# Altium PCB 606-100885-r02.pcbdoc (part 1 of 4)
Units mm, origin at the board's own origin, x right, y up, seen from the top; angles counter-clockwise.
Board outline 292.21 x 226.73 mm, 2 copper layers (Top Layer, Bottom Layer), stack 0.091 mm thick; 33 components, 69 nets, 230 pads, 87 vias.
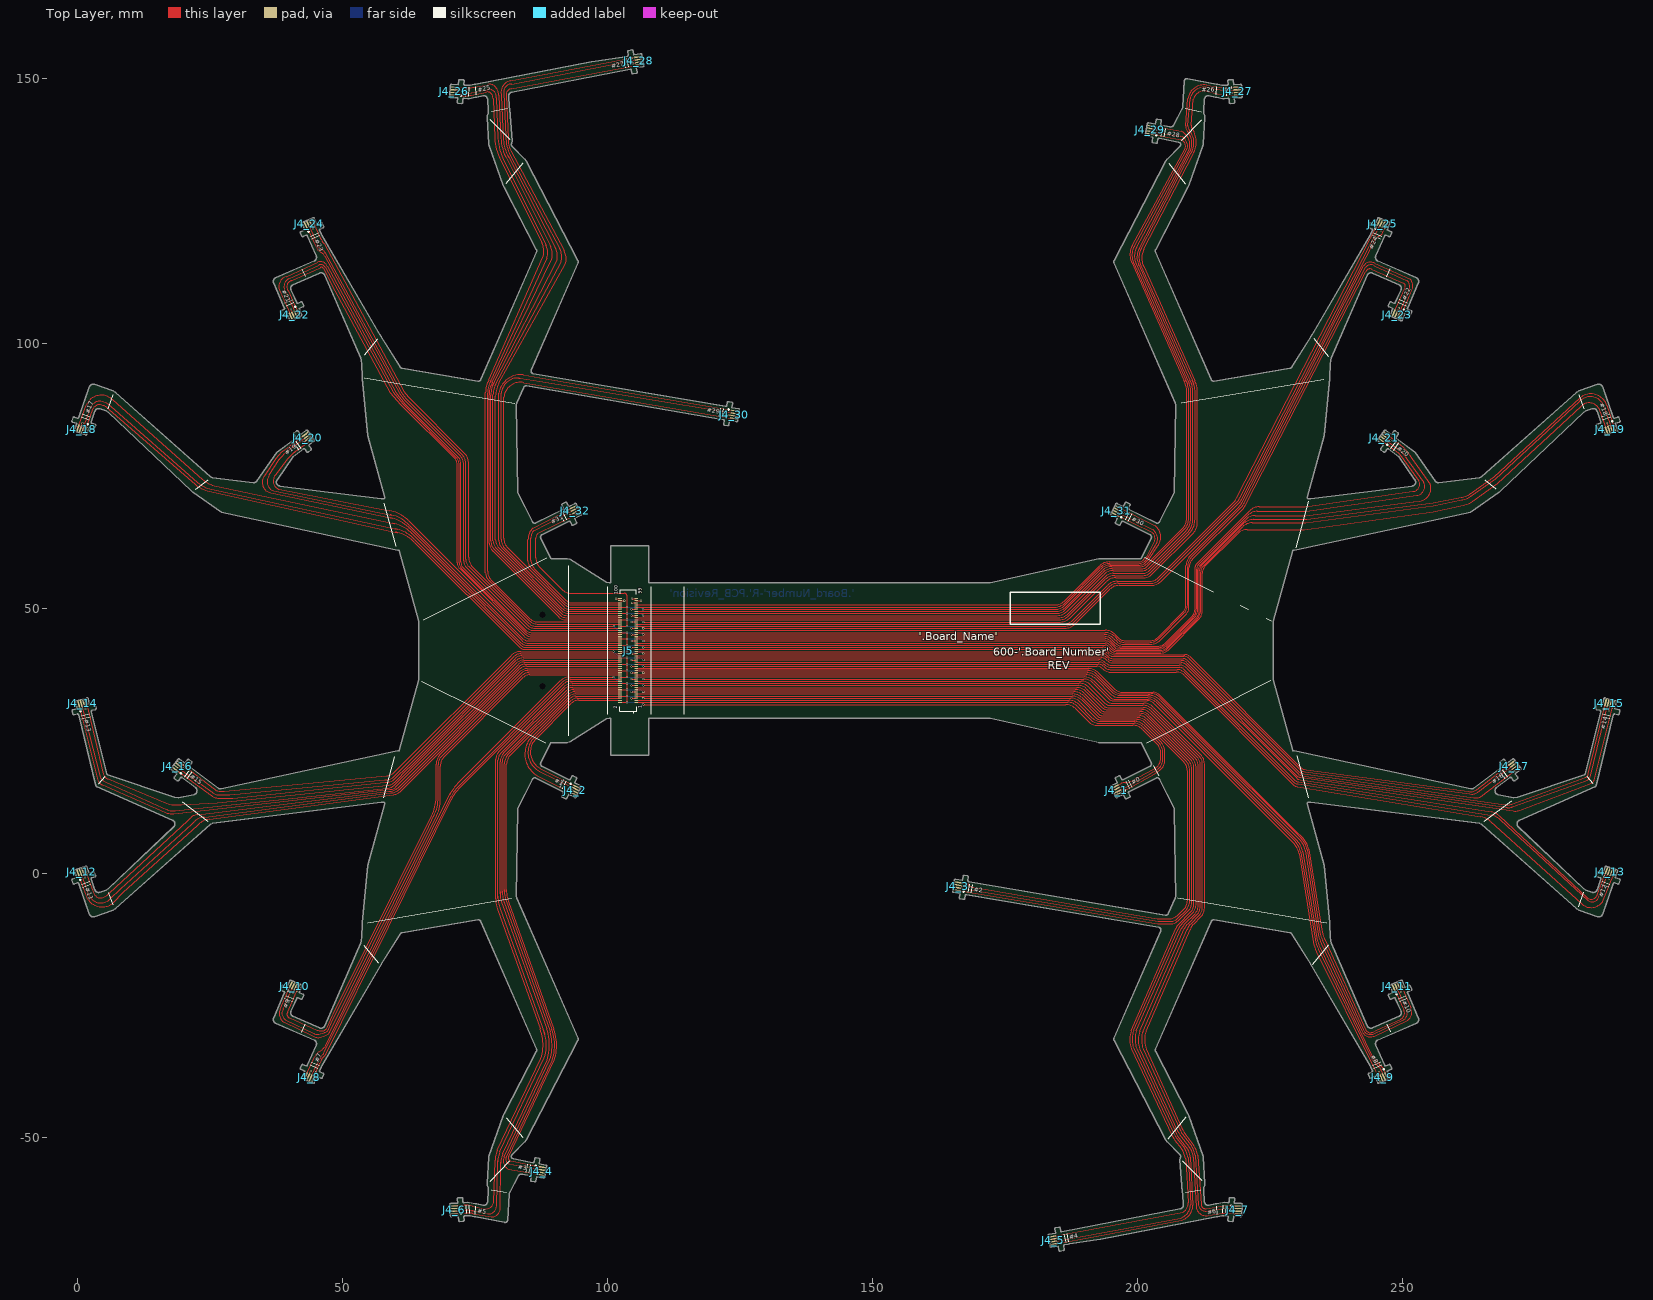
[diagram p0: Top Layer view]
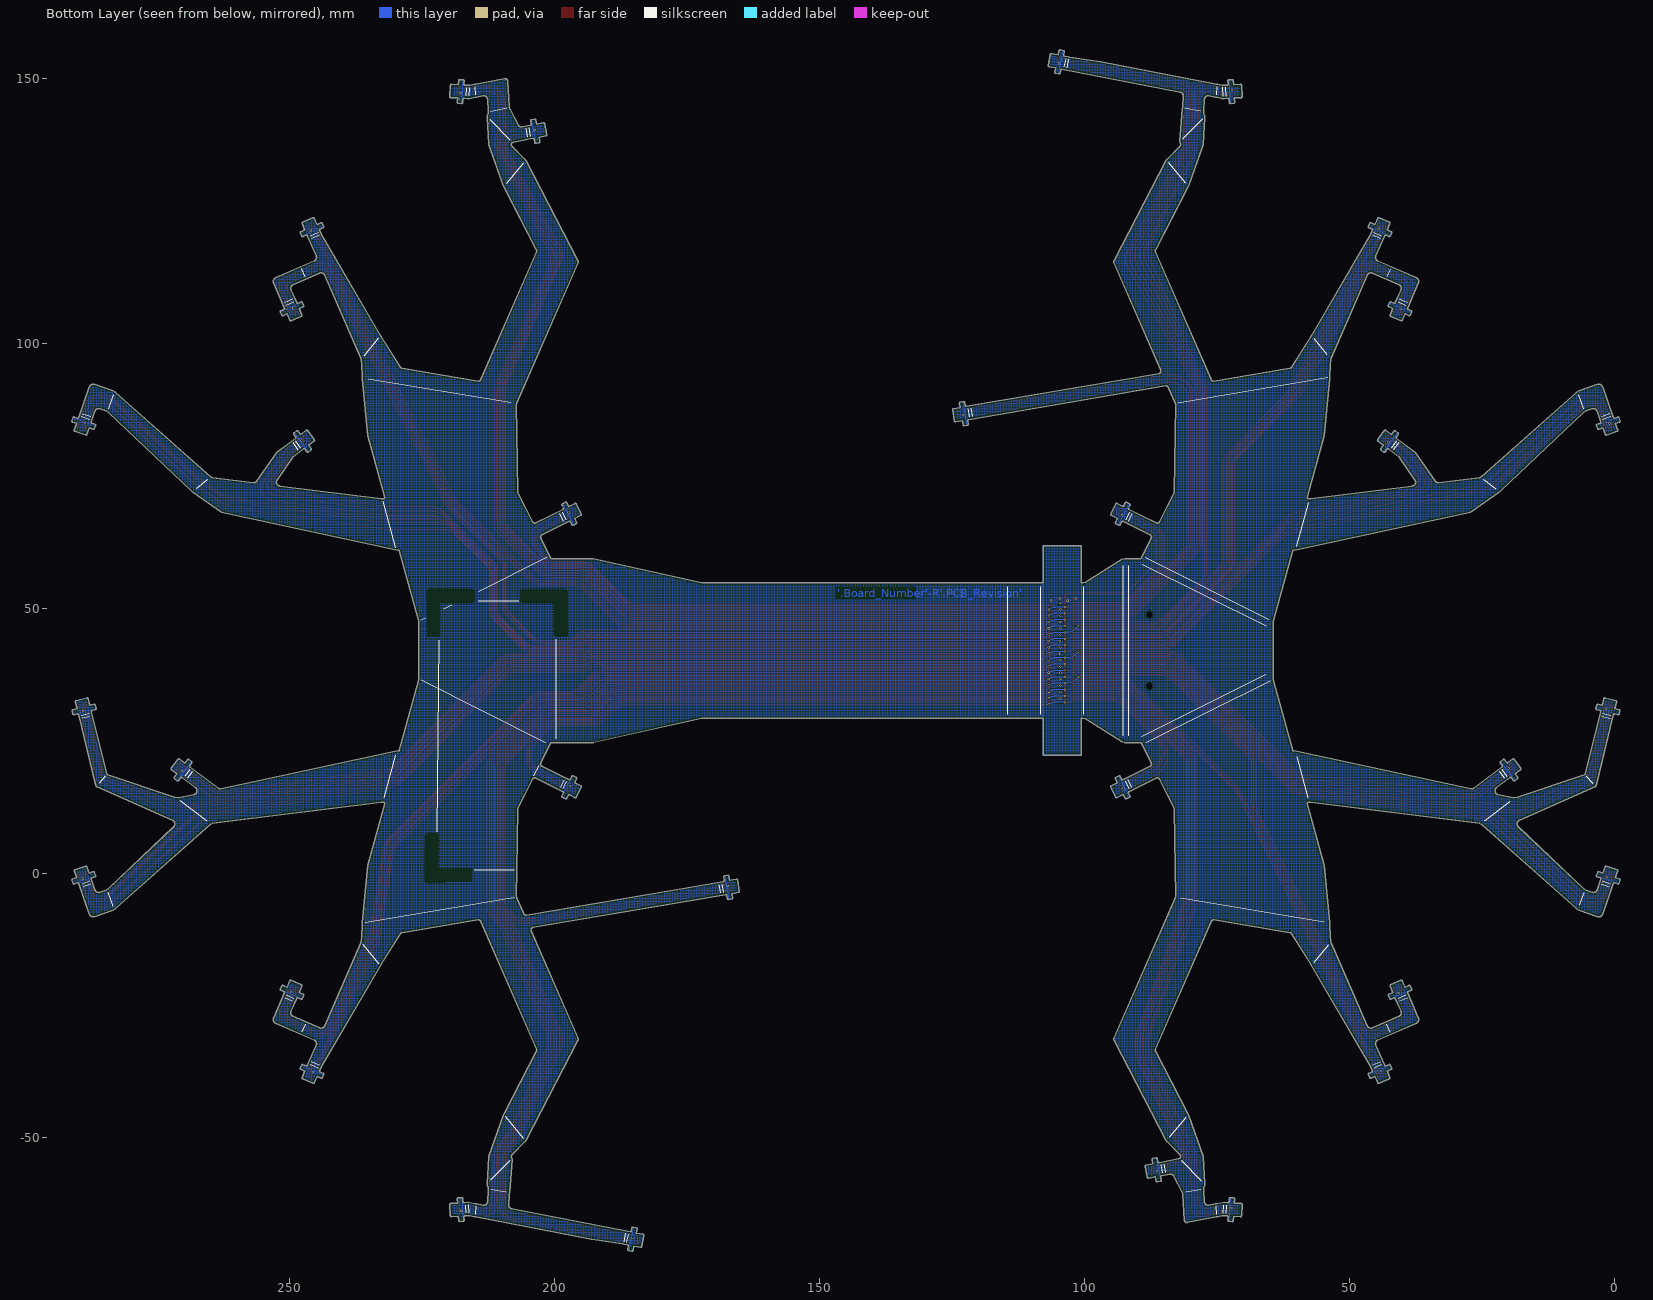
[diagram p1: Bottom Layer view, seen from below]

## Layer stack, top to bottom
Top Solder: solder mask 0.0102, Solder Resist, Dk 3.5
Top Layer: signal copper 0.0356
Dielectric 1: core 0.02, FR-4, Dk 4.2
Bottom Layer: signal copper 0.0356
Bottom Solder: solder mask 0.0102, Solder Resist, Dk 3.5

## Board outline
1384 vertices, not listed, extent -1.127,-71.353 291.087,155.374

## Design rules (kind name [scope] priority, off if disabled: settings)
AssemblyTestPointUsage [All] p0 off: scope1count=1 scope1_0_kind=Board scope1_0_value=Board scope2count=1 scope2_0_kind=Board scope2_0_value=Board commentlength=0
AssemblyTestPointUsage [All] p1 off:
AssemblyTestpoint [All] p0 off: scope1count=1 scope1_0_kind=Board scope1_0_value=Board scope2count=1 scope2_0_kind=Board scope2_0_value=Board commentlength=0
AssemblyTestpoint [All] p1 off: testpointundercomponent=TRUE minsize=1.016 maxsize=2.54 preferedsize=1.524 minholesize=0 maxholesize=1.016 preferedholesize=0.813 testpointgrid=0.025 usegrid=TRUE gridtolerance=0 allowsidetop=TRUE allowsidebottom=TRUE
BoardOutlineClearance silkscreen [All] p0 off: scope1count=1 scope1_0_kind=Board scope1_0_value=Board scope2count=1 scope2_0_kind=Board scope2_0_value=Board commentlength=89 gap=0.3 // Protel DXP Scope 1 Expression Was: (OnTopSilkscreen or OnBottomSilkscreen) and IsFree
BoardOutlineClearance Stiffener [All] p0: scope1count=1 scope1_0_kind=Layer scope1_0_value=TOP scope2count=1 scope2_0_kind=Board scope2_0_value=Board commentlength=0 gap=0
BoardOutlineClearance BoardOutlineClearance_1 [All] p0: scope1count=1 scope1_0_kind=Board scope1_0_value=Board scope2count=1 scope2_0_kind=Board scope2_0_value=Board commentlength=0 gap=0.25
BoardOutlineClearance Connectors [All] p0: scope1count=1 scope1_0_kind=Footprint scope1_0_value=WATCHMAN_CUSTOM_ZIF_4_PADS scope2count=1 scope2_0_kind=Board scope2_0_value=Board commentlength=0 gap=0
BoardOutlineClearance PSA [All] p0: scope1count=1 scope1_0_kind=Layer scope1_0_value=TOP scope2count=1 scope2_0_kind=Board scope2_0_value=Board commentlength=0 gap=0
BoardOutlineClearance Stiffener_1 [All] p0: scope1count=1 scope1_0_kind=Layer scope1_0_value=TOP scope2count=1 scope2_0_kind=Board scope2_0_value=Board commentlength=0 gap=0
BoardOutlineClearance bottom_copper_regions [All] p0: scope1count=1 scope1_0_kind=Layer scope1_0_value=BOTTOM scope2count=1 scope2_0_kind=Board scope2_0_value=Board commentlength=0 gap=0.25
BoardOutlineClearance bottom_copper_regions [OnLayer('Bottom Layer')] p1: gap=0.25 except(0: Region-OutlineEdge Text-OutlineEdge)
BoardOutlineClearance silkscreen [(OnTopSilkscreen or OnBottomSilkscreen) and IsFree] p2: gap=0.3 except(0: Text-OutlineEdge)
BoardOutlineClearance Connectors [HasFootprint('WATCHMAN_CUSTOM_ZIF_4_PADS')] p3: gap=0
BoardOutlineClearance PSA [onlayer('PSA')] p4: gap=0
BoardOutlineClearance Stiffener [OnLayer('Stiffener')] p5: gap=0
BoardOutlineClearance Stiffener_1 [OnLayer('FAB_LOCATIONS')] p6: gap=0
BoardOutlineClearance BoardOutlineClearance_1 [All] p7: gap=0.25 except(0: Text-OutlineEdge)
Clearance Cutout [All] p0: scope1count=1 scope1_0_kind=Board scope1_0_value=Board scope2count=1 scope2_0_kind=Layer scope2_0_value=TOP commentlength=0 gap=0
Clearance [All] p0: scope1count=1 scope1_0_kind=Board scope1_0_value=Board scope2count=1 scope2_0_kind=Board scope2_0_value=Board commentlength=0 gap=0.125
Clearance Cutout [All vs OnLayer('PSA')] p1: gap=0
Clearance [All] p2: gap=0.125 except(0: Arc-Region Track-Region SMDPad-Region THPad-Region Via-Region Fill-Region Region-Region)
ComponentClearance [All] p0: scope1count=1 scope1_0_kind=Board scope1_0_value=Board scope2count=1 scope2_0_kind=Board scope2_0_value=Board commentlength=0 gap=0.18 collisioncheckmode=3
ComponentClearance [All] p1: gap=0.18 collisioncheckmode=3 verticalgap=0.18 showdistances=FALSE
DiffPairsRouting [All] p0: scope1count=1 scope1_0_kind=Board scope1_0_value=Board scope2count=1 scope2_0_kind=Board scope2_0_value=Board commentlength=0
FabricationTestPointUsage [All] p0 off: scope1count=1 scope1_0_kind=Board scope1_0_value=Board scope2count=1 scope2_0_kind=Board scope2_0_value=Board commentlength=0 valid=0 allowmultiple=FALSE
FabricationTestPointUsage [All] p1 off: valid=0 allowmultiple=FALSE
FabricationTestpoint [All] p0 off: scope1count=1 scope1_0_kind=Board scope1_0_value=Board scope2count=1 scope2_0_kind=Board scope2_0_value=Board commentlength=0 side=3 testpointundercomponent=TRUE minsize=1.016 maxsize=2.54 preferedsize=1.524 minholesize=0 maxholesize=1.016 preferedholesize=0.813 testpointgrid=0.025
FabricationTestpoint [All] p1 off: side=3 testpointundercomponent=TRUE minsize=1.016 maxsize=2.54 preferedsize=1.524 minholesize=0 maxholesize=1.016 preferedholesize=0.813 testpointgrid=0.025 allowsidetop=TRUE allowsidebottom=TRUE usegrid=TRUE gridtolerance=0
FanoutControl Fanout_BGA [All] p0 off: scope1count=1 scope1_0_kind=Board scope1_0_value=Board scope2count=1 scope2_0_kind=Board scope2_0_value=Board commentlength=69 // Protel DXP Scope 1 Expression Was: IsBGA   Fanout_BGA (Default Rule)
FanoutControl Fanout_LCC [All] p0 off: scope1count=1 scope1_0_kind=Board scope1_0_value=Board scope2count=1 scope2_0_kind=Board scope2_0_value=Board commentlength=69 // Protel DXP Scope 1 Expression Was: IsLCC   Fanout_LCC (Default Rule)
FanoutControl Fanout_SOIC [All] p0 off: scope1count=1 scope1_0_kind=Board scope1_0_value=Board scope2count=1 scope2_0_kind=Board scope2_0_value=Board commentlength=71 // Protel DXP Scope 1 Expression Was: IsSOIC   Fanout_SOIC (Default Rule)
FanoutControl Fanout_Small [All] p0 off: scope1count=1 scope1_0_kind=Board scope1_0_value=Board scope2count=1 scope2_0_kind=Board scope2_0_value=Board commentlength=84 // Protel DXP Scope 1 Expression Was: (CompPinCount < 5)   Fanout_Small (Default Rule)
FanoutControl Fanout_Default [All] p0: scope1count=1 scope1_0_kind=Board scope1_0_value=Board scope2count=1 scope2_0_kind=Board scope2_0_value=Board commentlength=30 // Fanout_Default (Default Rule)
Height [All] p0: scope1count=1 scope1_0_kind=Board scope1_0_value=Board scope2count=1 scope2_0_kind=Board scope2_0_value=Board commentlength=0
HoleSize [All] p0: scope1count=1 scope1_0_kind=Board scope1_0_value=Board scope2count=1 scope2_0_kind=Board scope2_0_value=Board commentlength=0 absolutevalues=TRUE maxlimit=2.7 minlimit=0.025 maxpercent=80.000 minpercent=20.000
HoleSize [All] p1: absolutevalues=TRUE maxlimit=2.7 minlimit=0.025 maxpercent=80.000 minpercent=20.000
HoleToHoleClearance [All] p0: scope1count=1 scope1_0_kind=Board scope1_0_value=Board scope2count=1 scope2_0_kind=Board scope2_0_value=Board commentlength=0
LayerPairs [All] p0: scope1count=1 scope1_0_kind=Board scope1_0_value=Board scope2count=1 scope2_0_kind=Board scope2_0_value=Board commentlength=0 enforce=TRUE
MinimumSolderMaskSliver [All] p0: scope1count=1 scope1_0_kind=Board scope1_0_value=Board scope2count=1 scope2_0_kind=Board scope2_0_value=Board commentlength=0
MinimumSolderMaskSliver MinimumSolderMaskSliver_1 [All] p0 off: scope1count=1 scope1_0_kind=Board scope1_0_value=Board scope2count=1 scope2_0_kind=Board scope2_0_value=Board commentlength=44 // Protel DXP Scope 2 Expression Was: IsPad
MinimumSolderMaskSliver MinimumSolderMaskSliver_1 [isvia vs IsPad] p1: minsoldermaskwidth=0
MinimumSolderMaskSliver [All] p2: minsoldermaskwidth=0.05
NetAntennae [All] p0: scope1count=1 scope1_0_kind=Board scope1_0_value=Board scope2count=1 scope2_0_kind=Board scope2_0_value=Board commentlength=0
PasteMaskExpansion [All] p0: scope1count=1 scope1_0_kind=Board scope1_0_value=Board scope2count=1 scope2_0_kind=Board scope2_0_value=Board commentlength=0 expansion=0
PlaneClearance [All] p0: scope1count=1 scope1_0_kind=Board scope1_0_value=Board scope2count=1 scope2_0_kind=Board scope2_0_value=Board commentlength=0 clearance=0.2
PlaneClearance [All] p1: clearance=0.2
PlaneConnect [All] p0: scope1count=1 scope1_0_kind=Board scope1_0_value=Board scope2count=1 scope2_0_kind=Board scope2_0_value=Board commentlength=0 planeconnectstyle=Direct reliefexpansion=0.508 reliefentries=4 reliefconductorwidth=0.254 reliefairgap=0.254
PlaneConnect [All] p1: planeconnectstyle=Direct reliefexpansion=0.508 reliefentries=4 reliefconductorwidth=0.254 reliefairgap=0.254
PolygonConnect POLY_VIA [All] p0 off: scope1count=1 scope1_0_kind=Board scope1_0_value=Board scope2count=1 scope2_0_kind=Board scope2_0_value=Board commentlength=48 connectstyle=Direct reliefconductorwidth=0.254 reliefentries=4 polygonreliefangle="90 Angle" // Protel DXP Scope 2 Expression Was: IsPolygon
PolygonConnect MTG [All] p0: scope1count=1 scope1_0_kind=Footprint scope1_0_value=MTG197RD102P scope2count=1 scope2_0_kind=Board scope2_0_value=Board commentlength=0 connectstyle=Direct reliefconductorwidth=0.25 reliefentries=4 polygonreliefangle="90 Angle"
PolygonConnect PolygonConnect_1 [All] p0: scope1count=1 scope1_0_kind=Board scope1_0_value=Board scope2count=1 scope2_0_kind=Board scope2_0_value=Board commentlength=0 connectstyle=Relief reliefconductorwidth=0.25 reliefentries=4 polygonreliefangle="90 Angle"
PolygonConnect MTG [HasFootprint('MTG197RD102P')] p1: connectstyle=Direct reliefconductorwidth=0.25 reliefentries=4 polygonreliefangle="90 Angle" airgapwidth=0.125
PolygonConnect POLY_VIA [IsVia vs IsPolygon] p2: connectstyle=Direct reliefconductorwidth=0.254 reliefentries=4 polygonreliefangle="90 Angle" airgapwidth=0.254
PolygonConnect PolygonConnect_1 [All] p3: connectstyle=Relief reliefconductorwidth=0.25 reliefentries=4 polygonreliefangle="90 Angle" airgapwidth=0.125
RoomDefinition U_SensorConn322 [All] p0: scope1count=1 scope1_0_kind=ComponentClass scope1_0_value=U_SensorConn322 scope2count=1 scope2_0_kind=Board scope2_0_value=Board commentlength=0 region_x1=152558709 region_y1=56930451 region_x2=185439112 region_y2=65590417 confinementstyle=ConfineIn
RoomDefinition SensorBreakout [All] p0: scope1count=1 scope1_0_kind=ComponentClass scope1_0_value=SensorBreakout scope2count=1 scope2_0_kind=Board scope2_0_value=Board commentlength=0 region_x1=186220573 region_y1=57874047 region_x2=189370181 region_y2=68503974 confinementstyle=ConfineIn
RoomDefinition U_SensorConn11 [All] p0: scope1count=1 scope1_0_kind=ComponentClass scope1_0_value=U_SensorConn11 scope2count=1 scope2_0_kind=Board scope2_0_value=Board commentlength=0 region_x1=185826872 region_y1=69291376 region_x2=188976480 region_y2=74803190 confinementstyle=ConfineIn
RoomDefinition U_SensorConn12 [All] p0: scope1count=1 scope1_0_kind=ComponentClass scope1_0_value=U_SensorConn12 scope2count=1 scope2_0_kind=Board scope2_0_value=Board commentlength=0 region_x1=185826872 region_y1=75196891 region_x2=188976480 region_y2=80708705 confinementstyle=ConfineIn
RoomDefinition U_SensorConn13 [All] p0: scope1count=1 scope1_0_kind=ComponentClass scope1_0_value=U_SensorConn13 scope2count=1 scope2_0_kind=Board scope2_0_value=Board commentlength=0 region_x1=185826872 region_y1=81102406 region_x2=188976480 region_y2=86614220 confinementstyle=ConfineIn
RoomDefinition U_SensorConn14 [All] p0: scope1count=1 scope1_0_kind=ComponentClass scope1_0_value=U_SensorConn14 scope2count=1 scope2_0_kind=Board scope2_0_value=Board commentlength=0 region_x1=185826872 region_y1=87007921 region_x2=188976480 region_y2=92519735 confinementstyle=ConfineIn
RoomDefinition U_SensorConn15 [All] p0: scope1count=1 scope1_0_kind=ComponentClass scope1_0_value=U_SensorConn15 scope2count=1 scope2_0_kind=Board scope2_0_value=Board commentlength=0 region_x1=185826872 region_y1=93307137 region_x2=188976480 region_y2=98818951 confinementstyle=ConfineIn
RoomDefinition U_SensorConn16 [All] p0: scope1count=1 scope1_0_kind=ComponentClass scope1_0_value=U_SensorConn16 scope2count=1 scope2_0_kind=Board scope2_0_value=Board commentlength=0 region_x1=185826872 region_y1=99212652 region_x2=188976480 region_y2=104724466 confinementstyle=ConfineIn
RoomDefinition U_SensorConn17 [All] p0: scope1count=1 scope1_0_kind=ComponentClass scope1_0_value=U_SensorConn17 scope2count=1 scope2_0_kind=Board scope2_0_value=Board commentlength=0 region_x1=185826872 region_y1=105118167 region_x2=188976480 region_y2=110629981 confinementstyle=ConfineIn
RoomDefinition U_SensorConn18 [All] p0: scope1count=1 scope1_0_kind=ComponentClass scope1_0_value=U_SensorConn18 scope2count=1 scope2_0_kind=Board scope2_0_value=Board commentlength=0 region_x1=185826872 region_y1=111417383 region_x2=188976480 region_y2=116929197 confinementstyle=ConfineIn
RoomDefinition U_SensorConn29 [All] p0: scope1count=1 scope1_0_kind=ComponentClass scope1_0_value=U_SensorConn29 scope2count=1 scope2_0_kind=Board scope2_0_value=Board commentlength=0 region_x1=185826872 region_y1=117322898 region_x2=188976480 region_y2=122834712 confinementstyle=ConfineIn
RoomDefinition U_SensorConn210 [All] p0: scope1count=1 scope1_0_kind=ComponentClass scope1_0_value=U_SensorConn210 scope2count=1 scope2_0_kind=Board scope2_0_value=Board commentlength=0 region_x1=185826872 region_y1=123228413 region_x2=189763882 region_y2=128740227 confinementstyle=ConfineIn
RoomDefinition U_SensorConn211 [All] p0: scope1count=1 scope1_0_kind=ComponentClass scope1_0_value=U_SensorConn211 scope2count=1 scope2_0_kind=Board scope2_0_value=Board commentlength=0 region_x1=185826872 region_y1=129133928 region_x2=189370181 region_y2=134645742 confinementstyle=ConfineIn
RoomDefinition U_SensorConn212 [All] p0: scope1count=1 scope1_0_kind=ComponentClass scope1_0_value=U_SensorConn212 scope2count=1 scope2_0_kind=Board scope2_0_value=Board commentlength=0 region_x1=185826872 region_y1=135433144 region_x2=189763882 region_y2=140944958 confinementstyle=ConfineIn
RoomDefinition U_SensorConn213 [All] p0: scope1count=1 scope1_0_kind=ComponentClass scope1_0_value=U_SensorConn213 scope2count=1 scope2_0_kind=Board scope2_0_value=Board commentlength=0 region_x1=185826872 region_y1=141338659 region_x2=189763882 region_y2=146850473 confinementstyle=ConfineIn
RoomDefinition U_SensorConn214 [All] p0: scope1count=1 scope1_0_kind=ComponentClass scope1_0_value=U_SensorConn214 scope2count=1 scope2_0_kind=Board scope2_0_value=Board commentlength=0 region_x1=185826872 region_y1=147244174 region_x2=189763882 region_y2=152755988 confinementstyle=ConfineIn
RoomDefinition U_SensorConn215 [All] p0: scope1count=1 scope1_0_kind=ComponentClass scope1_0_value=U_SensorConn215 scope2count=1 scope2_0_kind=Board scope2_0_value=Board commentlength=0 region_x1=185826872 region_y1=153149689 region_x2=189763882 region_y2=158661503 confinementstyle=ConfineIn
RoomDefinition U_SensorConn216 [All] p0: scope1count=1 scope1_0_kind=ComponentClass scope1_0_value=U_SensorConn216 scope2count=1 scope2_0_kind=Board scope2_0_value=Board commentlength=0 region_x1=185826872 region_y1=159448905 region_x2=189763882 region_y2=164960719 confinementstyle=ConfineIn
RoomDefinition U_SensorConn317 [All] p0: scope1count=1 scope1_0_kind=ComponentClass scope1_0_value=U_SensorConn317 scope2count=1 scope2_0_kind=Board scope2_0_value=Board commentlength=0 region_x1=185826872 region_y1=165354420 region_x2=189763882 region_y2=170866234 confinementstyle=ConfineIn
RoomDefinition U_SensorConn318 [All] p0: scope1count=1 scope1_0_kind=ComponentClass scope1_0_value=U_SensorConn318 scope2count=1 scope2_0_kind=Board scope2_0_value=Board commentlength=0 region_x1=185826872 region_y1=171259935 region_x2=189763882 region_y2=176771749 confinementstyle=ConfineIn
RoomDefinition U_SensorConn319 [All] p0: scope1count=1 scope1_0_kind=ComponentClass scope1_0_value=U_SensorConn319 scope2count=1 scope2_0_kind=Board scope2_0_value=Board commentlength=0 region_x1=185826872 region_y1=177559151 region_x2=189763882 region_y2=183070965 confinementstyle=ConfineIn
RoomDefinition U_SensorConn320 [All] p0: scope1count=1 scope1_0_kind=ComponentClass scope1_0_value=U_SensorConn320 scope2count=1 scope2_0_kind=Board scope2_0_value=Board commentlength=0 region_x1=185826872 region_y1=183464666 region_x2=189763882 region_y2=188976480 confinementstyle=ConfineIn
RoomDefinition U_SensorConn321 [All] p0: scope1count=1 scope1_0_kind=ComponentClass scope1_0_value=U_SensorConn321 scope2count=1 scope2_0_kind=Board scope2_0_value=Board commentlength=0 region_x1=185826872 region_y1=189370181 region_x2=189370181 region_y2=194881995 confinementstyle=ConfineIn
RoomDefinition U_SensorConn323 [All] p0: scope1count=1 scope1_0_kind=ComponentClass scope1_0_value=U_SensorConn323 scope2count=1 scope2_0_kind=Board scope2_0_value=Board commentlength=0 region_x1=185826872 region_y1=201574912 region_x2=189763882 region_y2=207086726 confinementstyle=ConfineIn
RoomDefinition U_SensorConn324 [All] p0: scope1count=1 scope1_0_kind=ComponentClass scope1_0_value=U_SensorConn324 scope2count=1 scope2_0_kind=Board scope2_0_value=Board commentlength=0 region_x1=185826872 region_y1=207480427 region_x2=189763882 region_y2=212992241 confinementstyle=ConfineIn
RoomDefinition U_SensorConn425 [All] p0: scope1count=1 scope1_0_kind=ComponentClass scope1_0_value=U_SensorConn425 scope2count=1 scope2_0_kind=Board scope2_0_value=Board commentlength=0 region_x1=185826872 region_y1=213385942 region_x2=189763882 region_y2=218897756 confinementstyle=ConfineIn
RoomDefinition U_SensorConn426 [All] p0: scope1count=1 scope1_0_kind=ComponentClass scope1_0_value=U_SensorConn426 scope2count=1 scope2_0_kind=Board scope2_0_value=Board commentlength=0 region_x1=185826872 region_y1=219291457 region_x2=189763882 region_y2=224803271 confinementstyle=ConfineIn
RoomDefinition U_SensorConn427 [All] p0: scope1count=1 scope1_0_kind=ComponentClass scope1_0_value=U_SensorConn427 scope2count=1 scope2_0_kind=Board scope2_0_value=Board commentlength=0 region_x1=185826872 region_y1=225590673 region_x2=189763882 region_y2=231102487 confinementstyle=ConfineIn
RoomDefinition U_SensorConn428 [All] p0: scope1count=1 scope1_0_kind=ComponentClass scope1_0_value=U_SensorConn428 scope2count=1 scope2_0_kind=Board scope2_0_value=Board commentlength=0 region_x1=185826872 region_y1=231496188 region_x2=189763882 region_y2=237008002 confinementstyle=ConfineIn
RoomDefinition U_SensorConn429 [All] p0: scope1count=1 scope1_0_kind=ComponentClass scope1_0_value=U_SensorConn429 scope2count=1 scope2_0_kind=Board scope2_0_value=Board commentlength=0 region_x1=185826872 region_y1=237401703 region_x2=189763882 region_y2=242913517 confinementstyle=ConfineIn
RoomDefinition U_SensorConn430 [All] p0: scope1count=1 scope1_0_kind=ComponentClass scope1_0_value=U_SensorConn430 scope2count=1 scope2_0_kind=Board scope2_0_value=Board commentlength=0 region_x1=185826872 region_y1=243307218 region_x2=189763882 region_y2=248819032 confinementstyle=ConfineIn
RoomDefinition U_SensorConn431 [All] p0: scope1count=1 scope1_0_kind=ComponentClass scope1_0_value=U_SensorConn431 scope2count=1 scope2_0_kind=Board scope2_0_value=Board commentlength=0 region_x1=185826872 region_y1=249606434 region_x2=189370181 region_y2=255118248 confinementstyle=ConfineIn
RoomDefinition U_SensorConn432 [All] p0: scope1count=1 scope1_0_kind=ComponentClass scope1_0_value=U_SensorConn432 scope2count=1 scope2_0_kind=Board scope2_0_value=Board commentlength=0 region_x1=185826872 region_y1=255511949 region_x2=189763882 region_y2=261023763 confinementstyle=ConfineIn
RoomDefinition U_SensorConn432 [InComponentClass('U_SensorConn432')] p1: confinementstyle=ConfineIn formatcopy=TRUE lockcomponents=FALSE outline 145.778,432.283 155.778,432.283 155.778,446.283 145.778,446.283
RoomDefinition U_SensorConn431 [InComponentClass('U_SensorConn431')] p2: confinementstyle=ConfineIn formatcopy=TRUE lockcomponents=FALSE outline 145.778,417.283 154.778,417.283 154.778,431.283 145.778,431.283
RoomDefinition U_SensorConn430 [InComponentClass('U_SensorConn430')] p3: confinementstyle=ConfineIn formatcopy=TRUE lockcomponents=FALSE outline 145.778,401.283 155.778,401.283 155.778,415.283 145.778,415.283
RoomDefinition U_SensorConn429 [InComponentClass('U_SensorConn429')] p4: confinementstyle=ConfineIn formatcopy=TRUE lockcomponents=FALSE outline 145.778,386.283 155.778,386.283 155.778,400.283 145.778,400.283
RoomDefinition U_SensorConn428 [InComponentClass('U_SensorConn428')] p5: confinementstyle=ConfineIn formatcopy=TRUE lockcomponents=FALSE outline 145.778,371.283 155.778,371.283 155.778,385.283 145.778,385.283
RoomDefinition U_SensorConn427 [InComponentClass('U_SensorConn427')] p6: confinementstyle=ConfineIn formatcopy=TRUE lockcomponents=FALSE outline 145.778,356.283 155.778,356.283 155.778,370.283 145.778,370.283
RoomDefinition U_SensorConn426 [InComponentClass('U_SensorConn426')] p7: confinementstyle=ConfineIn formatcopy=TRUE lockcomponents=FALSE outline 145.778,340.283 155.778,340.283 155.778,354.283 145.778,354.283
RoomDefinition U_SensorConn425 [InComponentClass('U_SensorConn425')] p8: confinementstyle=ConfineIn formatcopy=TRUE lockcomponents=FALSE outline 145.778,325.283 155.778,325.283 155.778,339.283 145.778,339.283
RoomDefinition U_SensorConn324 [InComponentClass('U_SensorConn324')] p9: confinementstyle=ConfineIn formatcopy=TRUE lockcomponents=FALSE outline 145.778,310.283 155.778,310.283 155.778,324.283 145.778,324.283
RoomDefinition U_SensorConn323 [InComponentClass('U_SensorConn323')] p10: confinementstyle=ConfineIn formatcopy=TRUE lockcomponents=FALSE outline 145.778,295.283 155.778,295.283 155.778,309.283 145.778,309.283
RoomDefinition U_SensorConn321 [InComponentClass('U_SensorConn321')] p11: confinementstyle=ConfineIn formatcopy=TRUE lockcomponents=FALSE outline 145.778,264.283 154.778,264.283 154.778,278.283 145.778,278.283
RoomDefinition U_SensorConn320 [InComponentClass('U_SensorConn320')] p12: confinementstyle=ConfineIn formatcopy=TRUE lockcomponents=FALSE outline 145.778,249.283 155.778,249.283 155.778,263.283 145.778,263.283
RoomDefinition U_SensorConn319 [InComponentClass('U_SensorConn319')] p13: confinementstyle=ConfineIn formatcopy=TRUE lockcomponents=FALSE outline 145.778,234.283 155.778,234.283 155.778,248.283 145.778,248.283
RoomDefinition U_SensorConn318 [InComponentClass('U_SensorConn318')] p14: confinementstyle=ConfineIn formatcopy=TRUE lockcomponents=FALSE outline 145.778,218.283 155.778,218.283 155.778,232.283 145.778,232.283
RoomDefinition U_SensorConn317 [InComponentClass('U_SensorConn317')] p15: confinementstyle=ConfineIn formatcopy=TRUE lockcomponents=FALSE outline 145.778,203.283 155.778,203.283 155.778,217.283 145.778,217.283
RoomDefinition U_SensorConn216 [InComponentClass('U_SensorConn216')] p16: confinementstyle=ConfineIn formatcopy=TRUE lockcomponents=FALSE outline 145.778,188.283 155.778,188.283 155.778,202.283 145.778,202.283
RoomDefinition U_SensorConn215 [InComponentClass('U_SensorConn215')] p17: confinementstyle=ConfineIn formatcopy=TRUE lockcomponents=FALSE outline 145.778,172.283 155.778,172.283 155.778,186.283 145.778,186.283
RoomDefinition U_SensorConn214 [InComponentClass('U_SensorConn214')] p18: confinementstyle=ConfineIn formatcopy=TRUE lockcomponents=FALSE outline 145.778,157.283 155.778,157.283 155.778,171.283 145.778,171.283
RoomDefinition U_SensorConn213 [InComponentClass('U_SensorConn213')] p19: confinementstyle=ConfineIn formatcopy=TRUE lockcomponents=FALSE outline 145.778,142.283 155.778,142.283 155.778,156.283 145.778,156.283
RoomDefinition U_SensorConn212 [InComponentClass('U_SensorConn212')] p20: confinementstyle=ConfineIn formatcopy=TRUE lockcomponents=FALSE outline 145.778,127.283 155.778,127.283 155.778,141.283 145.778,141.283
RoomDefinition U_SensorConn211 [InComponentClass('U_SensorConn211')] p21: confinementstyle=ConfineIn formatcopy=TRUE lockcomponents=FALSE outline 145.778,111.283 154.778,111.283 154.778,125.283 145.778,125.283
RoomDefinition U_SensorConn210 [InComponentClass('U_SensorConn210')] p22: confinementstyle=ConfineIn formatcopy=TRUE lockcomponents=FALSE outline 145.778,96.283 155.778,96.283 155.778,110.283 145.778,110.283
RoomDefinition U_SensorConn29 [InComponentClass('U_SensorConn29')] p23: confinementstyle=ConfineIn formatcopy=TRUE lockcomponents=FALSE outline 145.778,81.283 153.778,81.283 153.778,95.283 145.778,95.283
RoomDefinition U_SensorConn18 [InComponentClass('U_SensorConn18')] p24: confinementstyle=ConfineIn formatcopy=TRUE lockcomponents=FALSE outline 145.778,66.283 153.778,66.283 153.778,80.283 145.778,80.283
RoomDefinition U_SensorConn17 [InComponentClass('U_SensorConn17')] p25: confinementstyle=ConfineIn formatcopy=TRUE lockcomponents=FALSE outline 145.778,50.283 153.778,50.283 153.778,64.283 145.778,64.283
RoomDefinition U_SensorConn16 [InComponentClass('U_SensorConn16')] p26: confinementstyle=ConfineIn formatcopy=TRUE lockcomponents=FALSE outline 145.778,35.283 153.778,35.283 153.778,49.283 145.778,49.283
RoomDefinition U_SensorConn15 [InComponentClass('U_SensorConn15')] p27: confinementstyle=ConfineIn formatcopy=TRUE lockcomponents=FALSE outline 145.778,20.283 153.778,20.283 153.778,34.283 145.778,34.283
RoomDefinition U_SensorConn14 [InComponentClass('U_SensorConn14')] p28: confinementstyle=ConfineIn formatcopy=TRUE lockcomponents=FALSE outline 145.778,4.283 153.778,4.283 153.778,18.283 145.778,18.283
RoomDefinition U_SensorConn13 [InComponentClass('U_SensorConn13')] p29: confinementstyle=ConfineIn formatcopy=TRUE lockcomponents=FALSE outline 145.778,-10.717 153.778,-10.717 153.778,3.283 145.778,3.283
RoomDefinition U_SensorConn12 [InComponentClass('U_SensorConn12')] p30: confinementstyle=ConfineIn formatcopy=TRUE lockcomponents=FALSE outline 145.778,-25.717 153.778,-25.717 153.778,-11.717 145.778,-11.717
RoomDefinition U_SensorConn11 [InComponentClass('U_SensorConn11')] p31: confinementstyle=ConfineIn formatcopy=TRUE lockcomponents=FALSE outline 145.778,-40.717 153.778,-40.717 153.778,-26.717 145.778,-26.717
RoomDefinition SensorBreakout [InComponentClass('SensorBreakout')] p32: confinementstyle=ConfineIn formatcopy=TRUE lockcomponents=FALSE outline 146.778,-69.717 154.778,-69.717 154.778,-42.717 146.778,-42.717
RoomDefinition U_SensorConn322 [InComponentClass('U_SensorConn322')] p33: confinementstyle=ConfineIn formatcopy=TRUE lockcomponents=FALSE outline 61.276,-72.114 144.793,-72.114 144.793,-50.118 61.276,-50.118
RoutingCorners [All] p0: scope1count=1 scope1_0_kind=Board scope1_0_value=Board scope2count=1 scope2_0_kind=Board scope2_0_value=Board commentlength=0 cornerstyle=45-Degree minsetback=0 maxsetback=0
RoutingCorners [All] p1: cornerstyle=45-Degree minsetback=0 maxsetback=0
RoutingLayers [All] p0: scope1count=1 scope1_0_kind=Board scope1_0_value=Board scope2count=1 scope2_0_kind=Board scope2_0_value=Board commentlength=0 top layer=Automatic bottom layer=Automatic
RoutingPriority [All] p0: scope1count=1 scope1_0_kind=Board scope1_0_value=Board scope2count=1 scope2_0_kind=Board scope2_0_value=Board commentlength=0
RoutingTopology [All] p0: scope1count=1 scope1_0_kind=Board scope1_0_value=Board scope2count=1 scope2_0_kind=Board scope2_0_value=Board commentlength=0 topology=Shortest
RoutingVias [All] p0: scope1count=1 scope1_0_kind=Board scope1_0_value=Board scope2count=1 scope2_0_kind=Board scope2_0_value=Board commentlength=0 holewidth=0.23 width=0.4 viastyle="Through Hole" minholewidth=0.23 minwidth=0.4 maxholewidth=0.23 maxwidth=0.4
RoutingVias [All] p1: holewidth=0.23 width=0.4 viastyle="Through Hole" minholewidth=0.23 minwidth=0.4 maxholewidth=0.23 maxwidth=0.4
ShortCircuit [All] p0: scope1count=1 scope1_0_kind=Board scope1_0_value=Board scope2count=1 scope2_0_kind=Board scope2_0_value=Board commentlength=0 allowed=FALSE
SilkToBoardRegionClearance [All] p0: scope1count=1 scope1_0_kind=Board scope1_0_value=Board scope2count=1 scope2_0_kind=Board scope2_0_value=Board commentlength=0
SilkToSilkClearance [All] p0 off: scope1count=1 scope1_0_kind=Board scope1_0_value=Board scope2count=1 scope2_0_kind=Board scope2_0_value=Board commentlength=0
SilkToSilkClearance [All] p1 off: silktosilkclearance=0.05
SilkToSolderMaskClearance [All] p0 off: scope1count=1 scope1_0_kind=Board scope1_0_value=Board scope2count=1 scope2_0_kind=Board scope2_0_value=Board commentlength=44 // Protel DXP Scope 1 Expression Was: IsPad
SilkToSolderMaskClearance [IsPad] p1: minsilkscreentomaskgap=0.125 clearancetoexposedcopper=TRUE
SolderMaskExpansion [All] p0: scope1count=1 scope1_0_kind=Board scope1_0_value=Board scope2count=1 scope2_0_kind=Board scope2_0_value=Board commentlength=0 expansion=0.05
SolderMaskExpansion [All] p1: expansion=0.05
UnRoutedNet [All] p0: scope1count=1 scope1_0_kind=Board scope1_0_value=Board scope2count=1 scope2_0_kind=Board scope2_0_value=Board commentlength=0
UnpouredPolygon [All] p0: scope1count=1 scope1_0_kind=Board scope1_0_value=Board scope2count=1 scope2_0_kind=Board scope2_0_value=Board commentlength=0
Width [All] p0: scope1count=1 scope1_0_kind=Board scope1_0_value=Board scope2count=1 scope2_0_kind=Board scope2_0_value=Board commentlength=0 maxlimit=0.5 minlimit=0.125 preferedwidth=0.125
Width PWR_GND [All] p0: scope1count=1 scope1_0_kind=NetClass scope1_0_value=PWR_GND scope2count=1 scope2_0_kind=Board scope2_0_value=Board commentlength=0 maxlimit=0.25 minlimit=0.25 preferedwidth=0.25
Width CRITICAL [All] p0: scope1count=1 scope1_0_kind=NetClass scope1_0_value=MOTOR_DRIVERS scope2count=1 scope2_0_kind=Board scope2_0_value=Board commentlength=0 maxlimit=0.4 minlimit=0.3 preferedwidth=0.4
Width PWR_GND [InNetClass('PWR_GND')] p1: maxlimit=0.25 minlimit=0.25 preferedwidth=0.25
Width CRITICAL [InNetClass('MOTOR_DRIVERS')] p2: maxlimit=0.4 minlimit=0.3 preferedwidth=0.4
Width [All] p3: maxlimit=0.5 minlimit=0.125 preferedwidth=0.125
18 further rules are at their usual default settings.

## Classes and differential pairs
net class SENSOR_E[1..32]: SENSOR_E1 SENSOR_E2 SENSOR_E3 SENSOR_E4 SENSOR_E5 SENSOR_E6 SENSOR_E7 SENSOR_E8 SENSOR_E9 SENSOR_E10 SENSOR_E11 SENSOR_E12 SENSOR_E13 SENSOR_E14 SENSOR_E15 SENSOR_E16 SENSOR_E17 SENSOR_E18 SENSOR_E19 SENSOR_E20 SENSOR_E21 SENSOR_E22 SENSOR_E23 SENSOR_E24 SENSOR_E25 SENSOR_E26 SENSOR_E27 SENSOR_E28 SENSOR_E29 SENSOR_E30 SENSOR_E31 SENSOR_E32
net class SENSOR_D[1..32]: SENSOR_D1 SENSOR_D2 SENSOR_D3 SENSOR_D4 SENSOR_D5 SENSOR_D6 SENSOR_D7 SENSOR_D8 SENSOR_D9 SENSOR_D10 SENSOR_D11 SENSOR_D12 SENSOR_D13 SENSOR_D14 SENSOR_D15 SENSOR_D16 SENSOR_D17 SENSOR_D18 SENSOR_D19 SENSOR_D20 SENSOR_D21 SENSOR_D22 SENSOR_D23 SENSOR_D24 SENSOR_D25 SENSOR_D26 SENSOR_D27 SENSOR_D28 SENSOR_D29 SENSOR_D30 SENSOR_D31 SENSOR_D32
component class SensorBreakout: J5
component class U_SensorConn11: J4_1
component class U_SensorConn12: J4_2
component class U_SensorConn13: J4_3
component class U_SensorConn14: J4_4
component class U_SensorConn15: J4_5
component class U_SensorConn16: J4_6
component class U_SensorConn17: J4_7
component class U_SensorConn18: J4_8
component class U_SensorConn29: J4_9
component class U_SensorConn210: J4_10
component class U_SensorConn211: J4_11
component class U_SensorConn212: J4_12
component class U_SensorConn213: J4_13
component class U_SensorConn214: J4_14
component class U_SensorConn215: J4_15
component class U_SensorConn216: J4_16
component class U_SensorConn317: J4_17
component class U_SensorConn318: J4_18
component class U_SensorConn319: J4_19
component class U_SensorConn320: J4_20
component class U_SensorConn321: J4_21
component class U_SensorConn322: J4_22
component class U_SensorConn323: J4_23
component class U_SensorConn324: J4_24
component class U_SensorConn425: J4_25
component class U_SensorConn426: J4_26
component class U_SensorConn427: J4_27
component class U_SensorConn428: J4_28
component class U_SensorConn429: J4_29
component class U_SensorConn430: J4_30
component class U_SensorConn431: J4_31
component class U_SensorConn432: J4_32
net class SENSOR_VCC[1..4]: SENSOR_VCC1 SENSOR_VCC2 SENSOR_VCC3 SENSOR_VCC4
channel class SensorConn: U_SensorConn11 U_SensorConn12 U_SensorConn13 U_SensorConn14 U_SensorConn15 U_SensorConn16 U_SensorConn17 U_SensorConn18 U_SensorConn29 U_SensorConn210 U_SensorConn211 U_SensorConn212 U_SensorConn213 U_SensorConn214 U_SensorConn215 U_SensorConn216 U_SensorConn317 U_SensorConn318 U_SensorConn319 U_SensorConn320 U_SensorConn321 U_SensorConn322 U_SensorConn323 U_SensorConn324 U_SensorConn425 U_SensorConn426 U_SensorConn427 U_SensorConn428 U_SensorConn429 U_SensorConn430 U_SensorConn431 U_SensorConn432

## Components (designator, comment, footprint, x,y, rotation, side; value= is the part's Value field where it differs from the comment)
J4_1 "SENSOR FPC TAB" WATCHMAN_CUSTOM_ZIF_4_PADS 195.424,15.294 r297 top (schematic designator J4)
J4_2 "SENSOR FPC TAB" WATCHMAN_CUSTOM_ZIF_4_PADS 94.536,15.294 r63.5 top (schematic designator J4)
J4_3 "SENSOR FPC TAB" WATCHMAN_CUSTOM_ZIF_4_PADS 165.262,-2.37 r260.5 top (schematic designator J4)
J4_4 "SENSOR FPC TAB" WATCHMAN_CUSTOM_ZIF_4_PADS 88.288,-56.393 r79 top (schematic designator J4)
J4_5 "SENSOR FPC TAB" WATCHMAN_CUSTOM_ZIF_4_PADS 183.317,-69.465 r281 top (schematic designator J4)
J4_6 "SENSOR FPC TAB" WATCHMAN_CUSTOM_ZIF_4_PADS 70.264,-63.621 r274 top (schematic designator J4)
J4_7 "SENSOR FPC TAB" WATCHMAN_CUSTOM_ZIF_4_PADS 219.696,-63.621 r86.5 top (schematic designator J4)
J4_8 "SENSOR FPC TAB" WATCHMAN_CUSTOM_ZIF_4_PADS 43.389,-39.251 r336 top (schematic designator J4)
J4_9 "SENSOR FPC TAB" WATCHMAN_CUSTOM_ZIF_4_PADS 246.571,-39.251 r23.5 top (schematic designator J4)
J4_10 "SENSOR FPC TAB" WATCHMAN_CUSTOM_ZIF_4_PADS 41.216,-20.667 r156 top (schematic designator J4)
J4_11 "SENSOR FPC TAB" WATCHMAN_CUSTOM_ZIF_4_PADS 248.744,-20.667 r204 top (schematic designator J4)
J4_12 "SENSOR FPC TAB" WATCHMAN_CUSTOM_ZIF_4_PADS 0.446,0.98 r199.5 top (schematic designator J4)
J4_13 "SENSOR FPC TAB" WATCHMAN_CUSTOM_ZIF_4_PADS 289.514,0.98 r160 top (schematic designator J4)
J4_14 "SENSOR FPC TAB" WATCHMAN_CUSTOM_ZIF_4_PADS 0.696,32.8 r194 top (schematic designator J4)
J4_15 "SENSOR FPC TAB" WATCHMAN_CUSTOM_ZIF_4_PADS 289.265,32.8 r166 top (schematic designator J4)
J4_16 "SENSOR FPC TAB" WATCHMAN_CUSTOM_ZIF_4_PADS 18.249,20.65 r233 top (schematic designator J4)
J4_17 "SENSOR FPC TAB" WATCHMAN_CUSTOM_ZIF_4_PADS 271.711,20.65 r127 top (schematic designator J4)
J4_18 "SENSOR FPC TAB" WATCHMAN_CUSTOM_ZIF_4_PADS 0.446,83.041 r340 top (schematic designator J4)
J4_19 "SENSOR FPC TAB" WATCHMAN_CUSTOM_ZIF_4_PADS 289.514,83.041 r19 top (schematic designator J4)
J4_20 "SENSOR FPC TAB" WATCHMAN_CUSTOM_ZIF_4_PADS 43.991,82.665 r127 top (schematic designator J4)
J4_21 "SENSOR FPC TAB" WATCHMAN_CUSTOM_ZIF_4_PADS 245.969,82.665 r233 top (schematic designator J4)
J4_22 "SENSOR FPC TAB" WATCHMAN_CUSTOM_ZIF_4_PADS 41.216,104.689 r23.5 top (schematic designator J4)
J4_23 "SENSOR FPC TAB" WATCHMAN_CUSTOM_ZIF_4_PADS 248.744,104.689 r336 top (schematic designator J4)
J4_24 "SENSOR FPC TAB" WATCHMAN_CUSTOM_ZIF_4_PADS 43.389,123.272 r204 top (schematic designator J4)
J4_25 "SENSOR FPC TAB" WATCHMAN_CUSTOM_ZIF_4_PADS 246.571,123.272 r156 top (schematic designator J4)
J4_26 "SENSOR FPC TAB" WATCHMAN_CUSTOM_ZIF_4_PADS 70.264,147.643 r266.5 top (schematic designator J4)
J4_27 "SENSOR FPC TAB" WATCHMAN_CUSTOM_ZIF_4_PADS 219.696,147.643 r93.5 top (schematic designator J4)
J4_28 "SENSOR FPC TAB" WATCHMAN_CUSTOM_ZIF_4_PADS 106.644,153.486 r101 top (schematic designator J4)
J4_29 "SENSOR FPC TAB" WATCHMAN_CUSTOM_ZIF_4_PADS 201.672,140.414 r259 top (schematic designator J4)
J4_30 "SENSOR FPC TAB" WATCHMAN_CUSTOM_ZIF_4_PADS 124.698,86.391 r80 top (schematic designator J4)
J4_31 "SENSOR FPC TAB" WATCHMAN_CUSTOM_ZIF_4_PADS 195.424,68.727 r243.5 top (schematic designator J4)
J4_32 "SENSOR FPC TAB" WATCHMAN_CUSTOM_ZIF_4_PADS 94.536,68.727 r116.5 top (schematic designator J4)
J5 "DF40HC(3.0)-100DS-0.4V" con100_hirose-df40c-100ds_129h 103.869,42.011 r270 top locked

## Footprints (in the part's own frame and the unit in brackets; to place one, negate y for a bottom-side part, rotate by r counter-clockwise, add the part's x,y. Pads: shape width x height; smd on the part's side, far side on the other; paste and mask are expansions set on the pad)
con100_hirose-df40c-100ds_129h [mm] "CONN RCPT 100POS 0.4MM SMD GOLD"
  rect 0.2x0.7 smd mask+0: 1(9.8,1.54) 2(9.8,-1.54) 3(9.4,1.54) 4(9.4,-1.54) 5(9,1.54) 6(9,-1.54) 7(8.6,1.54) 8(8.6,-1.54) 9(8.2,1.54) 10(8.2,-1.54) 11(7.8,1.54) 12(7.8,-1.54) 13(7.4,1.54) 14(7.4,-1.54) 15(7,1.54) 16(7,-1.54) 17(6.6,1.54) 18(6.6,-1.54) 19(6.2,1.54) 20(6.2,-1.54) 21(5.8,1.54) 22(5.8,-1.54) 23(5.4,1.54) 24(5.4,-1.54) 25(5,1.54) 26(5,-1.54) 27(4.6,1.54) 28(4.6,-1.54) 29(4.2,1.54) 30(4.2,-1.54) 31(3.8,1.54) 32(3.8,-1.54) 33(3.4,1.54) 34(3.4,-1.54) 35(3,1.54) 36(3,-1.54) 37(2.6,1.54) 38(2.6,-1.54) 39(2.2,1.54) 40(2.2,-1.54) 41(1.8,1.54) 42(1.8,-1.54) 43(1.4,1.54) 44(1.4,-1.54) 45(1,1.54) 46(1,-1.54) 47(0.6,1.54) 48(0.6,-1.54) 49(0.2,1.54) 50(0.2,-1.54) 51(-0.2,1.54) 52(-0.2,-1.54) 53(-0.6,1.54) 54(-0.6,-1.54) 55(-1,1.54) 56(-1,-1.54) 57(-1.4,1.54) 58(-1.4,-1.54) 59(-1.8,1.54) 60(-1.8,-1.54) 61(-2.2,1.54) 62(-2.2,-1.54) 63(-2.6,1.54) 64(-2.6,-1.54) 65(-3,1.54) 66(-3,-1.54) 67(-3.4,1.54) 68(-3.4,-1.54) 69(-3.8,1.54) 70(-3.8,-1.54) 71(-4.2,1.54) 72(-4.2,-1.54) 73(-4.6,1.54) 74(-4.6,-1.54) 75(-5,1.54) 76(-5,-1.54) 77(-5.4,1.54) 78(-5.4,-1.54) 79(-5.8,1.54) 80(-5.8,-1.54) 81(-6.2,1.54) 82(-6.2,-1.54) 83(-6.6,1.54) 84(-6.6,-1.54) 85(-7,1.54) 86(-7,-1.54) 87(-7.4,1.54) 88(-7.4,-1.54) 89(-7.8,1.54) 90(-7.8,-1.54) 91(-8.2,1.54) 92(-8.2,-1.54) 93(-8.6,1.54) 94(-8.6,-1.54) 95(-9,1.54) 96(-9,-1.54) 97(-9.4,1.54) 98(-9.4,-1.54) 99(-9.8,1.54) 100(-9.8,-1.54)
  silkscreen extent -11.43,-1.57 11.81,1.61
WATCHMAN_CUSTOM_ZIF_4_PADS [mm] "ROBIN_CUSTOM_ZIF_PADS"
  rect 0.3x1.5 smd paste-10 mask+0: 1(0.75,0.775) 2(0.25,0.775) 3(-0.25,0.775) 4(-0.75,0.775)
  silkscreen extent 0.61,1.97 0.83,2.2

## Part data
J4_1 J4_2 J4_3 J4_4 J4_5 J4_6 J4_7 J4_8 J4_9 J4_10 J4_11 J4_12 J4_13 J4_14 J4_15 J4_16 J4_17 J4_18 J4_19 J4_20 J4_21 J4_22 J4_23 J4_24 J4_25 J4_26 J4_27 J4_28 J4_29 J4_30 J4_31 J4_32: library part Watchman_Sensor_FPC_Tab, "WATCHMAN SENSOR FPC TABS"
J5: library part DF40HC(3.0)-100DS-0.4V(51), "CONN RCPT 100POS 0.4MM SMD GOLD 3.0MM"

## Free pads (board coordinates)
  round 1 hole 1.2 unplated: 0(87.695,35.261) 0(87.695,48.761)

## Via types
v1: diameter 0.4, hole 0.23, Top Layer to Bottom Layer, tented both sides, 87 vias